# KiCad board backplane.kicad_pcb (continued)
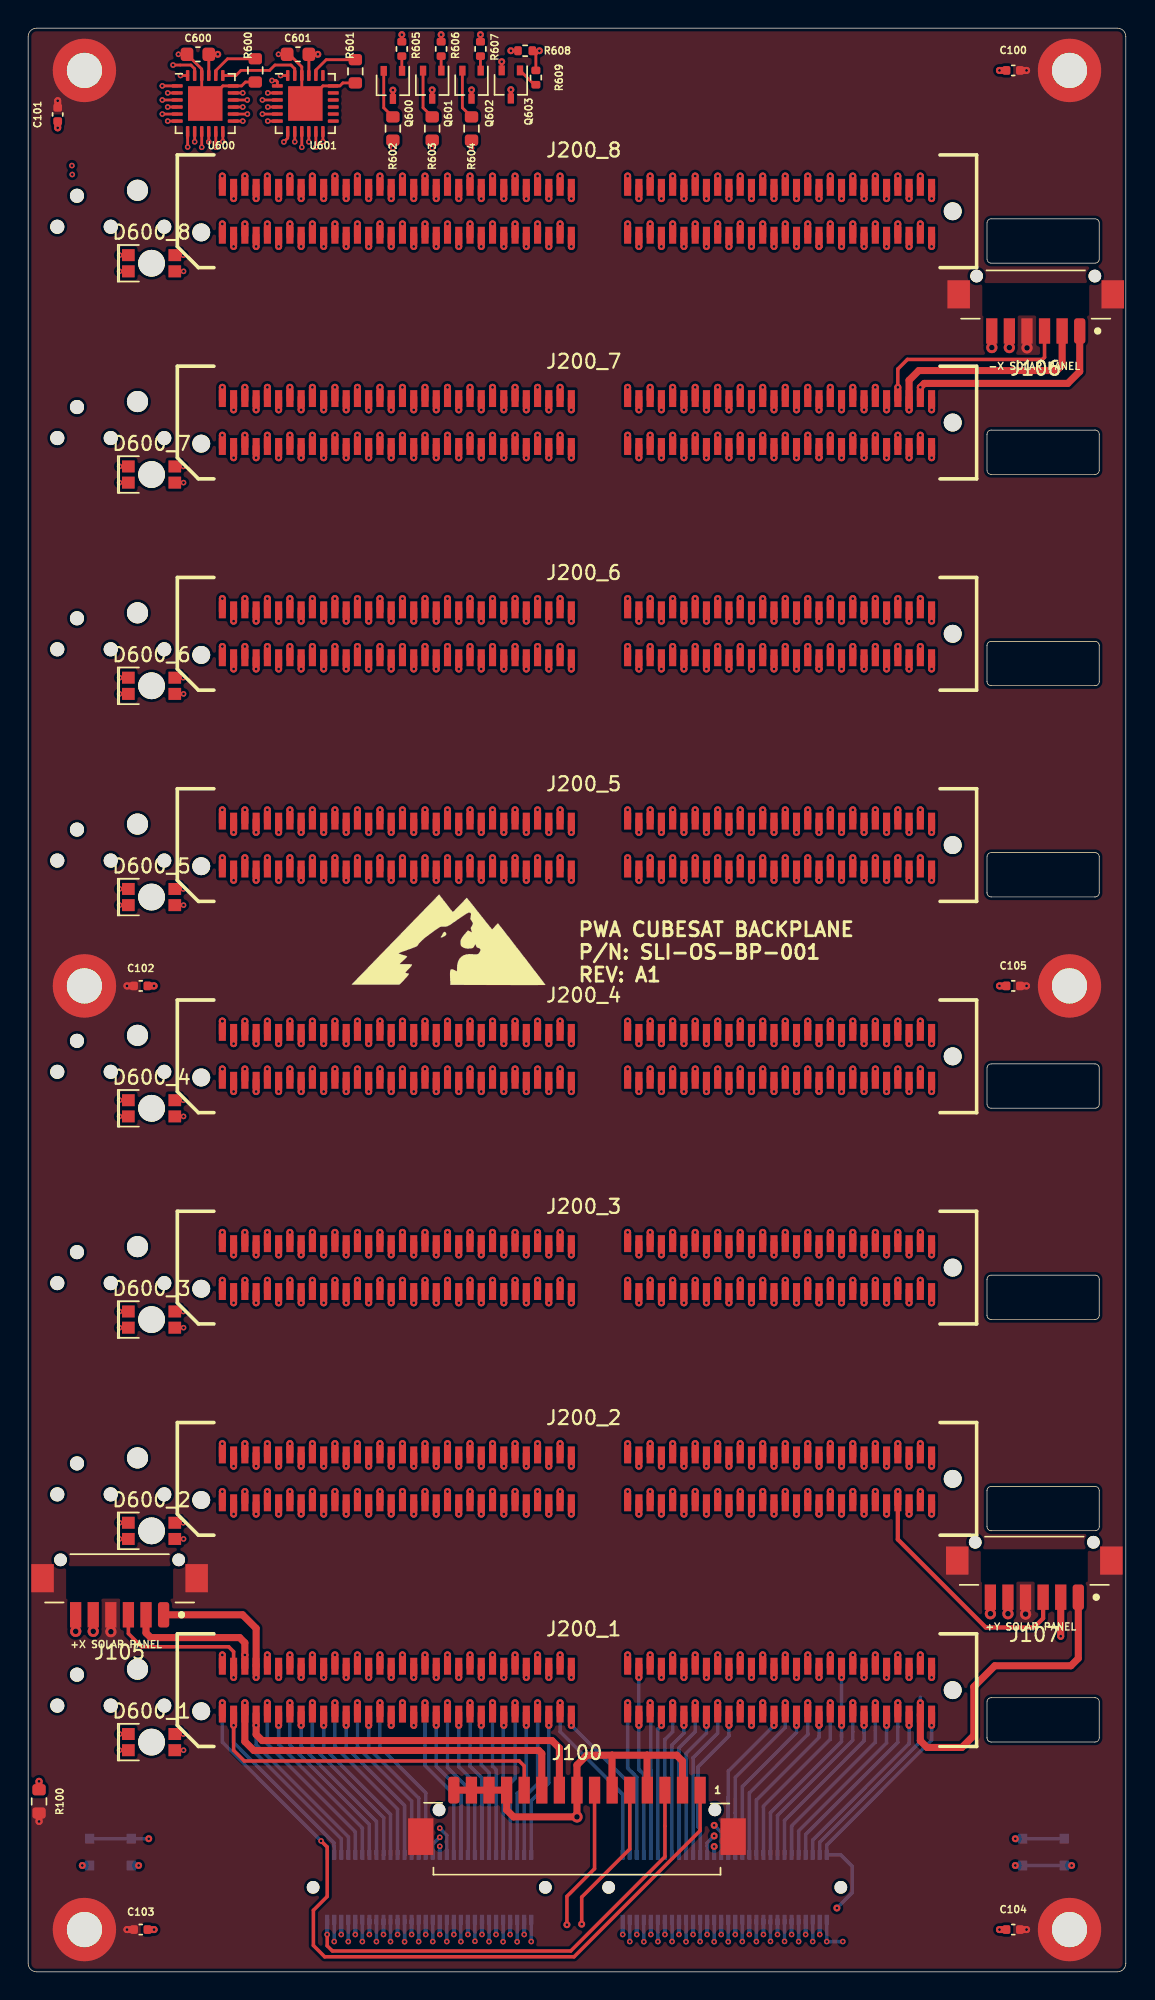
[diagram p0: board, top side]
## Routing (per net, layer and track width the routed paths; a pad name or vN(x,y) marks a point on that pad's centre or on a via; arc(x,y) is an arc through that point) (continued)
/H1-12: length 140.4
  Top w0.5: v1(25,127.5) 25,126.6 ; v1(25,22.5) 25,21.6 ; v1(25,37.5) 25,36.6 ; v1(25,52.5) 25,51.6 ; v1(25,67.5) 25,66.6 ; v1(25,82.5) 25,81.6 ; v1(25,97.5) 25,96.6 ; v1(25,112.5) 25,111.6
  In3.Cu w0.25: v1(25,22.5) 25,20.28 25.75,19.53 25.8,19.53 25.8,18.61 24.97,17.78 24.97,12.17 28.25,8.89 J300.30 ; v2(28.25,2.65) 28.25,4.42 28.24,4.42
  In3.Cu w0.5: v1(25,127.5) 25,125.5 25.8,124.65 25.8,123.67 25,122.87 v1(25,112.5) 25,110.5 25.8,109.65 25.8,108.67 25,107.87 v1(25,97.5) 25,95.5 25.8,94.65 25.8,93.67 25,92.87 v1(25,82.5) 25,80.5 25.8,79.65 25.8,78.67 25,77.87 v1(25,67.5) 25,65.5 25.8,64.65 25.8,63.67 25,62.87 v1(25,52.5) 25,50.5 25.8,49.65 25.8,48.67 25,47.87 v1(25,37.5) 25,35.5 25.8,34.65 25.8,33.67 25,32.87 v1(25,22.5)
  Bottom w0.3: v2(28.25,2.65) J300.30
/H1-13: length 128.7
  Top w0.5: v1(26.6,124.1) 26.6,123.2 ; v1(26.6,19.1) 26.6,18.2 ; v1(26.6,34.1) 26.6,33.2 ; v1(26.6,49.1) 26.6,48.2 ; v1(26.6,64.1) 26.6,63.2 ; v1(26.6,79.1) 26.6,78.2 ; v1(26.6,94.1) 26.6,93.2 ; v1(26.6,109.1) 26.6,108.2
  In1.Cu w0.5: v1(26.6,124.1) 26.6,122.3 27.4,121.5 27.4,112.1 26.6,111.3 v1(26.6,109.1) 26.6,107.3 27.4,106.5 27.4,97.1 26.6,96.3 v1(26.6,94.1) 26.6,92.3 27.4,91.5 27.4,82.1 26.6,81.3 v1(26.6,79.1) 26.6,77.3 27.4,76.5 27.4,67.1 26.6,66.3 v1(26.6,64.1) 26.6,62.3 27.4,61.5 27.4,52.1 26.6,51.3 v1(26.6,49.1) 26.6,47.3 27.4,46.5 27.4,37.1 26.6,36.3 v1(26.6,34.1) 26.6,32.3 27.4,31.5 27.4,22.1 26.6,21.3 v1(26.6,19.1)
  In4.Cu w0.25: v2(29.25,8.91) 27.44,10.72 27.44,16.19 26.6,17.03 v1(26.6,19.1)
  Bottom w0.25: J300.33 v2(29.25,8.91)
/H1-14: length 140
  Top w0.5: v1(26.6,127.5) 26.6,126.6 ; v1(26.6,22.5) 26.6,21.6 ; v1(26.6,37.5) 26.6,36.6 ; v1(26.6,52.5) 26.6,51.6 ; v1(26.6,67.5) 26.6,66.6 ; v1(26.6,82.5) 26.6,81.6 ; v1(26.6,97.5) 26.6,96.6 ; v1(26.6,112.5) 26.6,111.6
  In3.Cu w0.25: v1(26.6,22.5) 26.6,20.31 27.38,19.53 27.38,18.53 26.68,17.83 26.68,15.97 30.1,12.55 30.1,7.19 29.25,6.34 29.25,4.44 ; v2(29.25,2.65) 29.25,4.44 ; 29.25,4.44 29.27,4.44
  In3.Cu w0.5: v1(26.6,127.5) 26.6,125.5 27.4,124.65 27.4,123.67 26.6,122.87 v1(26.6,112.5) 26.6,110.5 27.4,109.65 27.4,108.67 26.6,107.87 v1(26.6,97.5) 26.6,95.5 27.4,94.65 27.4,93.67 26.6,92.87 v1(26.6,82.5) 26.6,80.5 27.4,79.65 27.4,78.67 26.6,77.87 v1(26.6,67.5) 26.6,65.5 27.4,64.65 27.4,63.67 26.6,62.87 v1(26.6,52.5) 26.6,50.5 27.4,49.65 27.4,48.67 26.6,47.87 v1(26.6,37.5) 26.6,35.5 27.4,34.65 27.4,33.67 26.6,32.87 v1(26.6,22.5)
  Bottom w0.3: v2(29.25,2.65) J300.34
/H1-16: length 139.5
  Top w0.5: v1(28.2,127.5) 28.2,126.6 ; v1(28.2,22.5) 28.2,21.6 ; v1(28.2,37.5) 28.2,36.6 ; v1(28.2,52.5) 28.2,51.6 ; v1(28.2,67.5) 28.2,66.6 ; v1(28.2,82.5) 28.2,81.6 ; v1(28.2,97.5) 28.2,96.6 ; v1(28.2,112.5) 28.2,111.6
  In3.Cu w0.25: v1(28.2,22.5) 28.2,20.4 29.02,19.58 29.02,18.71 28.22,17.91 28.22,15.51 30.69,13.04 30.69,6.83 30.25,6.39 v2(30.25,2.65)
  In3.Cu w0.5: v1(28.2,127.5) 28.2,125.5 29,124.65 29,123.67 28.2,122.87 v1(28.2,112.5) 28.2,110.5 29,109.65 29,108.67 28.2,107.87 v1(28.2,97.5) 28.2,95.5 29,94.65 29,93.67 28.2,92.87 v1(28.2,82.5) 28.2,80.5 29,79.65 29,78.67 28.2,77.87 v1(28.2,67.5) 28.2,65.5 29,64.65 29,63.67 28.2,62.87 v1(28.2,52.5) 28.2,50.5 29,49.65 29,48.67 28.2,47.87 v1(28.2,37.5) 28.2,35.5 29,34.65 29,33.67 28.2,32.87 v1(28.2,22.5)
  Bottom w0.3: v2(30.25,2.65) J300.38
/H1-17: length 128.2
  Top w0.5: v1(29.8,124.1) 29.8,123.2 ; v1(29.8,19.1) 29.8,18.2 ; v1(29.8,34.1) 29.8,33.2 ; v1(29.8,49.1) 29.8,48.2 ; v1(29.8,64.1) 29.8,63.2 ; v1(29.8,79.1) 29.8,78.2 ; v1(29.8,94.1) 29.8,93.2 ; v1(29.8,109.1) 29.8,108.2
  In1.Cu w0.5: v1(29.8,124.1) 29.8,122.3 30.6,121.5 30.6,112.1 29.8,111.3 v1(29.8,109.1) 29.8,107.3 30.6,106.5 30.6,97.1 29.8,96.3 v1(29.8,94.1) 29.8,92.3 30.6,91.5 30.6,82.1 29.8,81.3 v1(29.8,79.1) 29.8,77.3 30.6,76.5 30.6,67.1 29.8,66.3 v1(29.8,64.1) 29.8,62.3 30.6,61.5 30.6,52.1 29.8,51.3 v1(29.8,49.1) 29.8,47.3 30.6,46.5 30.6,37.1 29.8,36.3 v1(29.8,34.1) 29.8,32.3 30.6,31.5 30.6,22.1 29.8,21.3 v1(29.8,19.1)
  Bottom w0.25: J300.41 31.27,8.32 31.27,13.03 29.8,14.5 v1(29.8,19.1)
/H1-18: length 138.9
  Top w0.5: v1(29.8,127.5) 29.8,126.6 ; v1(29.8,22.5) 29.8,21.6 ; v1(29.8,37.5) 29.8,36.6 ; v1(29.8,52.5) 29.8,51.6 ; v1(29.8,67.5) 29.8,66.6 ; v1(29.8,82.5) 29.8,81.6 ; v1(29.8,97.5) 29.8,96.6 ; v1(29.8,112.5) 29.8,111.6
  In3.Cu w0.25: v1(29.8,22.5) 29.8,20.43 30.6,19.63 30.6,18.73 29.8,17.93 29.8,15.13 31.25,13.68 v2(31.25,2.65)
  In3.Cu w0.5: v1(29.8,127.5) 29.8,125.5 30.6,124.65 30.6,123.67 29.8,122.87 v1(29.8,112.5) 29.8,110.5 30.6,109.65 30.6,108.67 29.8,107.87 v1(29.8,97.5) 29.8,95.5 30.6,94.65 30.6,93.67 29.8,92.87 v1(29.8,82.5) 29.8,80.5 30.6,79.65 30.6,78.67 29.8,77.87 v1(29.8,67.5) 29.8,65.5 30.6,64.65 30.6,63.67 29.8,62.87 v1(29.8,52.5) 29.8,50.5 30.6,49.65 30.6,48.67 29.8,47.87 v1(29.8,37.5) 29.8,35.5 30.6,34.65 30.6,33.67 29.8,32.87 v1(29.8,22.5)
  Bottom w0.3: v2(31.25,2.65) J300.42
/H1-19: length 128
  Top w0.5: v1(31.4,124.1) 31.4,123.2 ; v1(31.4,19.1) 31.4,18.2 ; v1(31.4,34.1) 31.4,33.2 ; v1(31.4,49.1) 31.4,48.2 ; v1(31.4,64.1) 31.4,63.2 ; v1(31.4,79.1) 31.4,78.2 ; v1(31.4,94.1) 31.4,93.2 ; v1(31.4,109.1) 31.4,108.2
  In1.Cu w0.5: v1(31.4,124.1) 31.4,122.3 32.2,121.5 32.2,112.1 31.4,111.3 v1(31.4,109.1) 31.4,107.3 32.2,106.5 32.2,97.1 31.4,96.3 v1(31.4,94.1) 31.4,92.3 32.2,91.5 32.2,82.1 31.4,81.3 v1(31.4,79.1) 31.4,77.3 32.2,76.5 32.2,67.1 31.4,66.3 v1(31.4,64.1) 31.4,62.3 32.2,61.5 32.2,52.1 31.4,51.3 v1(31.4,49.1) 31.4,47.3 32.2,46.5 32.2,37.1 31.4,36.3 v1(31.4,34.1) 31.4,32.3 32.2,31.5 32.2,22.1 31.4,21.3 v1(31.4,19.1)
  Bottom w0.25: J300.45 32.25,13.75 31.4,14.6 v1(31.4,19.1)
/H1-20: length 140.6
  Top w0.5: v1(31.4,127.5) 31.4,126.6 ; v1(31.4,22.5) 31.4,21.6 ; v1(31.4,37.5) 31.4,36.6 ; v1(31.4,52.5) 31.4,51.6 ; v1(31.4,67.5) 31.4,66.6 ; v1(31.4,82.5) 31.4,81.6 ; v1(31.4,97.5) 31.4,96.6 ; v1(31.4,112.5) 31.4,111.6
  In3.Cu w0.25: 32.25,4 32.25,6.02 ; 32.25,4 v2(32.25,2.65) ; 32.25,4 32.25,16.1 31.42,16.93 31.42,18.04 32.21,18.83 32.21,19.66 31.41,20.46 31.41,22.49
  In3.Cu w0.5: v1(31.4,127.5) 31.4,125.5 32.2,124.65 32.2,123.67 31.4,122.87 v1(31.4,112.5) 31.4,110.5 32.2,109.65 32.2,108.67 31.4,107.87 v1(31.4,97.5) 31.4,95.5 32.2,94.65 32.2,93.67 31.4,92.87 v1(31.4,82.5) 31.4,80.5 32.2,79.65 32.2,78.67 31.4,77.87 v1(31.4,67.5) 31.4,65.5 32.2,64.65 32.2,63.67 31.4,62.87 v1(31.4,52.5) 31.4,50.5 32.2,49.65 32.2,48.67 31.4,47.87 v1(31.4,37.5) 31.4,35.5 32.2,34.65 32.2,33.67 31.4,32.87 v1(31.4,22.5)
  Bottom w0.3: v2(32.25,2.65) J300.46
/H1-21: length 139.1
  Top w0.2: R602.2 v2(25.92,129.49)
  Top w0.5: v1(33,124.1) 33,123.2 ; v1(33,19.1) 33,18.2 ; v1(33,34.1) 33,33.2 ; v1(33,49.1) 33,48.2 ; v1(33,64.1) 33,63.2 ; v1(33,79.1) 33,78.2 ; v1(33,94.1) 33,93.2 ; v1(33,109.1) 33,108.2
  In1.Cu w0.2: v2(25.92,129.49) 26.62,128.79 30.81,128.79 33,126.6 v1(33,124.1)
  In1.Cu w0.5: v1(33,124.1) 33,122.3 33.8,121.5 33.8,112.1 33,111.3 v1(33,109.1) 33,107.3 33.8,106.5 33.8,97.1 33,96.3 v1(33,94.1) 33,92.3 33.8,91.5 33.8,82.1 33,81.3 v1(33,79.1) 33,77.3 33.8,76.5 33.8,67.1 33,66.3 v1(33,64.1) 33,62.3 33.8,61.5 33.8,52.1 33,51.3 v1(33,49.1) 33,47.3 33.8,46.5 33.8,37.1 33,36.3 v1(33,34.1) 33,32.3 33.8,31.5 33.8,22.1 33,21.3 v1(33,19.1)
  Bottom w0.25: J300.49 33.25,14.35 33,14.6 v1(33,19.1)
/H1-22: length 138.4
  Top w0.5: v1(33,127.5) 33,126.6 ; v1(33,22.5) 33,21.6 ; v1(33,37.5) 33,36.6 ; v1(33,52.5) 33,51.6 ; v1(33,67.5) 33,66.6 ; v1(33,82.5) 33,81.6 ; v1(33,97.5) 33,96.6 ; v1(33,112.5) 33,111.6
  In3.Cu w0.25: v2(33.25,2.65) 33.25,16.62 33.06,16.81 33.06,18.04 33.09,18.04 33.83,18.78 33.83,19.77 33,20.6 v1(33,22.5)
  In3.Cu w0.5: v1(33,127.5) 33,125.5 33.8,124.65 33.8,123.67 33,122.87 v1(33,112.5) 33,110.5 33.8,109.65 33.8,108.67 33,107.87 v1(33,97.5) 33,95.5 33.8,94.65 33.8,93.67 33,92.87 v1(33,82.5) 33,80.5 33.8,79.65 33.8,78.67 33,77.87 v1(33,67.5) 33,65.5 33.8,64.65 33.8,63.67 33,62.87 v1(33,52.5) 33,50.5 33.8,49.65 33.8,48.67 33,47.87 v1(33,37.5) 33,35.5 33.8,34.65 33.8,33.67 33,32.87 v1(33,22.5)
  Bottom w0.3: v2(33.25,2.65) J300.50
/H1-23: length 137.9
  Top w0.2: R603.2 v2(28.71,129.49)
  Top w0.5: v1(34.6,124.1) 34.6,123.2 ; v1(34.6,19.1) 34.6,18.2 ; v1(34.6,34.1) 34.6,33.2 ; v1(34.6,49.1) 34.6,48.2 ; v1(34.6,64.1) 34.6,63.2 ; v1(34.6,79.1) 34.6,78.2 ; v1(34.6,94.1) 34.6,93.2 ; v1(34.6,109.1) 34.6,108.2
  In1.Cu w0.2: v2(28.71,129.49) 29.11,129.09 32.08,129.09 34.6,126.57 v1(34.6,124.1)
  In1.Cu w0.5: v1(34.6,124.1) 34.6,122.3 35.4,121.5 35.4,112.1 34.6,111.3 v1(34.6,109.1) 34.6,107.3 35.4,106.5 35.4,97.1 34.6,96.3 v1(34.6,94.1) 34.6,92.3 35.4,91.5 35.4,82.1 34.6,81.3 v1(34.6,79.1) 34.6,77.3 35.4,76.5 35.4,67.1 34.6,66.3 v1(34.6,64.1) 34.6,62.3 35.4,61.5 35.4,52.1 34.6,51.3 v1(34.6,49.1) 34.6,47.3 35.4,46.5 35.4,37.1 34.6,36.3 v1(34.6,34.1) 34.6,32.3 35.4,31.5 35.4,22.1 34.6,21.3 v1(34.6,19.1)
  Bottom w0.25: J300.53 34.25,13.38 34.6,13.73 v1(34.6,19.1)
/H1-24: length 138.5
  Top w0.5: v1(34.6,127.5) 34.6,126.6 ; v1(34.6,22.5) 34.6,21.6 ; v1(34.6,37.5) 34.6,36.6 ; v1(34.6,52.5) 34.6,51.6 ; v1(34.6,67.5) 34.6,66.6 ; v1(34.6,82.5) 34.6,81.6 ; v1(34.6,97.5) 34.6,96.6 ; v1(34.6,112.5) 34.6,111.6
  In3.Cu w0.25: v2(34.25,2.65) 34.25,16.47 34.59,16.81 34.59,18.04 34.6,18.04 35.41,18.85 35.41,19.84 35.39,19.84 34.57,20.66 34.6,20.69 v1(34.6,22.5)
  In3.Cu w0.5: v1(34.6,127.5) 34.6,125.5 35.4,124.65 35.4,123.67 34.6,122.87 v1(34.6,112.5) 34.6,110.5 35.4,109.65 35.4,108.67 34.6,107.87 v1(34.6,97.5) 34.6,95.5 35.4,94.65 35.4,93.67 34.6,92.87 v1(34.6,82.5) 34.6,80.5 35.4,79.65 35.4,78.67 34.6,77.87 v1(34.6,67.5) 34.6,65.5 35.4,64.65 35.4,63.67 34.6,62.87 v1(34.6,52.5) 34.6,50.5 35.4,49.65 35.4,48.67 34.6,47.87 v1(34.6,37.5) 34.6,35.5 35.4,34.65 35.4,33.67 34.6,32.87 v1(34.6,22.5)
  Bottom w0.3: v2(34.25,2.65) J300.54
/H1-25: length 128.3
  Top w0.5: v1(36.2,124.1) 36.2,123.2 ; v1(36.2,19.1) 36.2,18.2 ; v1(36.2,34.1) 36.2,33.2 ; v1(36.2,49.1) 36.2,48.2 ; v1(36.2,64.1) 36.2,63.2 ; v1(36.2,79.1) 36.2,78.2 ; v1(36.2,94.1) 36.2,93.2 ; v1(36.2,109.1) 36.2,108.2
  In1.Cu w0.5: v1(36.2,19.1) 36.2,21.3 37,22.1 37,30.93 36.2,31.73 v1(36.2,34.1) 36.2,36.3 37,37.1 37,45.98 36.2,46.78 36.2,49.15 ; v1(36.2,79.1) 36.2,81.3 37,82.1 37,90.96 36.2,91.76 36.2,94.12 ; v1(36.2,64.1) 36.2,66.3 37,67.1 37,76.03 36.2,76.83 36.2,79.2 ; v1(36.2,49.1) 36.2,51.3 37,52.1 37,61.01 36.2,61.81 36.2,64.17 ; v1(36.2,109.1) 36.2,111.3 37,112.1 37,120.93 36.2,121.73 v1(36.2,124.1) ; v1(36.2,94.1) 36.2,96.3 37,97.1 37,105.96 36.2,106.76 36.2,109.12
  Bottom w0.25: J300.57 35.25,12.39 36.2,13.34 v1(36.2,19.1)
/H1-26: length 138.7
  Top w0.5: v1(36.2,127.5) 36.2,126.6 ; v1(36.2,22.5) 36.2,21.6 ; v1(36.2,37.5) 36.2,36.6 ; v1(36.2,52.5) 36.2,51.6 ; v1(36.2,67.5) 36.2,66.6 ; v1(36.2,82.5) 36.2,81.6 ; v1(36.2,97.5) 36.2,96.6 ; v1(36.2,112.5) 36.2,111.6
  In3.Cu w0.25: v1(36.2,22.5) 36.2,20.58 36.94,19.84 36.96,19.84 36.96,18.78 36.2,18.02 36.2,8.3 35.25,7.35 v2(35.25,2.65)
  In3.Cu w0.5: v1(36.2,127.5) 36.2,125.5 37,124.65 37,123.67 36.2,122.87 v1(36.2,112.5) 36.2,110.5 37,109.65 37,108.67 36.2,107.87 v1(36.2,97.5) 36.2,95.5 37,94.65 37,93.67 36.2,92.87 v1(36.2,82.5) 36.2,80.5 37,79.65 37,78.67 36.2,77.87 v1(36.2,67.5) 36.2,65.5 37,64.65 37,63.67 36.2,62.87 v1(36.2,52.5) 36.2,50.5 37,49.65 37,48.67 36.2,47.87 v1(36.2,37.5) 36.2,35.5 37,34.65 37,33.67 36.2,32.87 v1(36.2,22.5)
  Bottom w0.3: v2(35.25,2.65) J300.58
/H1-27: length 131
  Top w0.5: v1(37.8,124.1) 37.8,123.2 ; v1(37.8,19.1) 37.8,18.2 ; v1(37.8,34.1) 37.8,33.2 ; v1(37.8,49.1) 37.8,48.2 ; v1(37.8,64.1) 37.8,63.2 ; v1(37.8,79.1) 37.8,78.2 ; v1(37.8,94.1) 37.8,93.2 ; v1(37.8,109.1) 37.8,108.2
  In1.Cu w0.5: v1(37.8,109.1) 37.8,111.3 38.6,112.1 38.6,120.73 37.8,121.53 v1(37.8,124.1) ; v1(37.8,19.1) 37.8,21.3 38.6,22.1 38.6,30.73 37.8,31.53 v1(37.8,34.1) 37.8,36.3 38.6,37.1 38.6,45.78 37.8,46.58 37.8,49.15 ; v1(37.8,94.1) 37.8,96.3 38.6,97.1 38.6,105.76 37.8,106.56 37.8,109.12 ; v1(37.8,79.1) 37.8,81.3 38.6,82.1 38.6,90.76 37.8,91.56 37.8,94.12 ; v1(37.8,64.1) 37.8,66.3 38.6,67.1 38.6,75.83 37.8,76.63 37.8,79.2 ; v1(37.8,49.1) 37.8,51.3 38.6,52.1 38.6,60.81 37.8,61.61 37.8,64.17
  Bottom w0.25: 41.27,13.58 42.25,12.6 J301.1 ; 41.27,13.58 37.8,17.05 v1(37.8,19.1) ; 41.27,13.58 42.17,12.68
/H1-28: length 139.5
  Top w0.5: v1(37.8,127.5) 37.8,126.6 ; v1(37.8,22.5) 37.8,21.6 ; v1(37.8,37.5) 37.8,36.6 ; v1(37.8,52.5) 37.8,51.6 ; v1(37.8,67.5) 37.8,66.6 ; v1(37.8,82.5) 37.8,81.6 ; v1(37.8,97.5) 37.8,96.6 ; v1(37.8,112.5) 37.8,111.6
  In3.Cu w0.25: v1(37.8,22.5) 37.8,20.44 42.25,15.99 v2(42.25,2.65)
  In3.Cu w0.5: v1(37.8,127.5) 37.8,125.5 38.6,124.65 38.6,123.67 37.8,122.87 v1(37.8,112.5) 37.8,110.5 38.6,109.65 38.6,108.67 37.8,107.87 v1(37.8,97.5) 37.8,95.5 38.6,94.65 38.6,93.67 37.8,92.87 v1(37.8,82.5) 37.8,80.5 38.6,79.65 38.6,78.67 37.8,77.87 v1(37.8,67.5) 37.8,65.5 38.6,64.65 38.6,63.67 37.8,62.87 v1(37.8,52.5) 37.8,50.5 38.6,49.65 38.6,48.67 37.8,47.87 v1(37.8,37.5) 37.8,35.5 38.6,34.65 38.6,33.67 37.8,32.87 v1(37.8,22.5)
  Bottom w0.3: v2(42.25,2.65) J301.2
/H1-30: length 138.6
  Top w0.5: v1(42.6,127.5) 42.6,126.6 ; v1(42.6,22.5) 42.6,21.6 ; v1(42.6,37.5) 42.6,36.6 ; v1(42.6,52.5) 42.6,51.6 ; v1(42.6,67.5) 42.6,66.6 ; v1(42.6,82.5) 42.6,81.6 ; v1(42.6,97.5) 42.6,96.6 ; v1(42.6,112.5) 42.6,111.6
  In3.Cu w0.25: 41.79,19.5 41.79,17.53 43.25,16.07 v2(43.25,2.65) ; 41.79,19.5 41.8,19.5 ; 41.79,19.5 42.6,20.31 v1(42.6,22.5)
  In3.Cu w0.5: v1(42.6,127.5) 42.6,125.5 43.4,124.65 43.4,123.67 42.6,122.87 v1(42.6,112.5) 42.6,110.5 43.4,109.65 43.4,108.67 42.6,107.87 v1(42.6,97.5) 42.6,95.5 43.4,94.65 43.4,93.67 42.6,92.87 v1(42.6,82.5) 42.6,80.5 43.4,79.65 43.4,78.67 42.6,77.87 v1(42.6,67.5) 42.6,65.5 43.4,64.65 43.4,63.67 42.6,62.87 v1(42.6,52.5) 42.6,50.5 43.4,49.65 43.4,48.67 42.6,47.87 v1(42.6,37.5) 42.6,35.5 43.4,34.65 43.4,33.67 42.6,32.87 v1(42.6,22.5)
  Bottom w0.3: v2(43.25,2.65) J301.6
/H1-31: length 133.7
  Top w0.5: v1(44.2,124.1) 44.2,123.2 ; v1(44.2,19.1) 44.2,18.2 ; v1(44.2,34.1) 44.2,33.2 ; v1(44.2,49.1) 44.2,48.2 ; v1(44.2,64.1) 44.2,63.2 ; v1(44.2,79.1) 44.2,78.2 ; v1(44.2,94.1) 44.2,93.2 ; v1(44.2,109.1) 44.2,108.2
  In1.Cu w0.5: v1(44.2,124.1) 44.2,122.3 45,121.5 45,112.1 44.2,111.3 v1(44.2,109.1) 44.2,107.3 45,106.5 45,97.1 44.2,96.3 v1(44.2,94.1) 44.2,92.3 45,91.5 45,82.1 44.2,81.3 v1(44.2,79.1) 44.2,77.3 45,76.5 45,67.1 44.2,66.3 v1(44.2,64.1) 44.2,62.3 45,61.5 45,52.1 44.2,51.3 v1(44.2,49.1) 44.2,47.3 45,46.5 45,37.1 44.2,36.3 v1(44.2,34.1) 44.2,32.3 45,31.5 45,22.1 44.2,21.3 v1(44.2,19.1)
  Bottom w0.25: 44.25,14.35 J301.9 44.25,19.05 v1(44.2,19.1)
/H1-33: length 127.9
  Top w0.5: v1(45.8,124.1) 45.8,123.2 ; v1(45.8,19.1) 45.8,18.2 ; v1(45.8,34.1) 45.8,33.2 ; v1(45.8,49.1) 45.8,48.2 ; v1(45.8,64.1) 45.8,63.2 ; v1(45.8,79.1) 45.8,78.2 ; v1(45.8,94.1) 45.8,93.2 ; v1(45.8,109.1) 45.8,108.2
  In1.Cu w0.5: v1(45.8,124.1) 45.8,122.3 46.6,121.5 46.6,112.1 45.8,111.3 v1(45.8,109.1) 45.8,107.3 46.6,106.5 46.6,97.1 45.8,96.3 v1(45.8,94.1) 45.8,92.3 46.6,91.5 46.6,82.1 45.8,81.3 v1(45.8,79.1) 45.8,77.3 46.6,76.5 46.6,67.1 45.8,66.3 v1(45.8,64.1) 45.8,62.3 46.6,61.5 46.6,52.1 45.8,51.3 v1(45.8,49.1) 45.8,47.3 46.6,46.5 46.6,37.1 45.8,36.3 v1(45.8,34.1) 45.8,32.3 46.6,31.5 46.6,22.1 45.8,21.3 v1(45.8,19.1)
  Bottom w0.25: J301.13 45.25,16.5 45.8,17.05 v1(45.8,19.1)
/H1-34: length 138.5
  Top w0.5: v1(45.8,127.5) 45.8,126.6 ; v1(45.8,22.5) 45.8,21.6 ; v1(45.8,37.5) 45.8,36.6 ; v1(45.8,52.5) 45.8,51.6 ; v1(45.8,67.5) 45.8,66.6 ; v1(45.8,82.5) 45.8,81.6 ; v1(45.8,97.5) 45.8,96.6 ; v1(45.8,112.5) 45.8,111.6
  In3.Cu w0.25: v2(45.25,2.65) 45.25,15.85 45.81,16.41 45.81,18.01 45.02,18.8 45.02,19.6 45.81,20.39 45.8,20.4 v1(45.8,22.5)
  In3.Cu w0.5: v1(45.8,127.5) 45.8,125.5 46.6,124.65 46.6,123.67 45.8,122.87 v1(45.8,112.5) 45.8,110.5 46.6,109.65 46.6,108.67 45.8,107.87 v1(45.8,97.5) 45.8,95.5 46.6,94.65 46.6,93.67 45.8,92.87 v1(45.8,82.5) 45.8,80.5 46.6,79.65 46.6,78.67 45.8,77.87 v1(45.8,67.5) 45.8,65.5 46.6,64.65 46.6,63.67 45.8,62.87 v1(45.8,52.5) 45.8,50.5 46.6,49.65 46.6,48.67 45.8,47.87 v1(45.8,37.5) 45.8,35.5 46.6,34.65 46.6,33.67 45.8,32.87 v1(45.8,22.5)
  Bottom w0.3: v2(45.25,2.65) J301.14
/H1-35: length 128.1
  Top w0.5: v1(47.4,124.1) 47.4,123.2 ; v1(47.4,19.1) 47.4,18.2 ; v1(47.4,34.1) 47.4,33.2 ; v1(47.4,49.1) 47.4,48.2 ; v1(47.4,64.1) 47.4,63.2 ; v1(47.4,79.1) 47.4,78.2 ; v1(47.4,94.1) 47.4,93.2 ; v1(47.4,109.1) 47.4,108.2
  In1.Cu w0.5: v1(47.4,124.1) 47.4,122.3 48.2,121.5 48.2,112.1 47.4,111.3 v1(47.4,109.1) 47.4,107.3 48.2,106.5 48.2,97.1 47.4,96.3 v1(47.4,94.1) 47.4,92.3 48.2,91.5 48.2,82.1 47.4,81.3 v1(47.4,79.1) 47.4,77.3 48.2,76.5 48.2,67.1 47.4,66.3 v1(47.4,64.1) 47.4,62.3 48.2,61.5 48.2,52.1 47.4,51.3 v1(47.4,49.1) 47.4,47.3 48.2,46.5 48.2,37.1 47.4,36.3 v1(47.4,34.1) 47.4,32.3 48.2,31.5 48.2,22.1 47.4,21.3 v1(47.4,19.1)
  Bottom w0.25: J301.17 46.25,15.9 47.4,17.05 v1(47.4,19.1)
/H1-36: length 138.8
  Top w0.5: v1(47.4,127.5) 47.4,126.6 ; v1(47.4,22.5) 47.4,21.6 ; v1(47.4,37.5) 47.4,36.6 ; v1(47.4,52.5) 47.4,51.6 ; v1(47.4,67.5) 47.4,66.6 ; v1(47.4,82.5) 47.4,81.6 ; v1(47.4,97.5) 47.4,96.6 ; v1(47.4,112.5) 47.4,111.6
  In3.Cu w0.25: v1(47.4,22.5) 47.4,20.31 46.61,19.52 46.61,18.83 47.41,18.03 47.41,16.64 46.25,15.48 v2(46.25,2.65)
  In3.Cu w0.5: v1(47.4,127.5) 47.4,125.5 48.2,124.65 48.2,123.67 47.4,122.87 v1(47.4,112.5) 47.4,110.5 48.2,109.65 48.2,108.67 47.4,107.87 v1(47.4,97.5) 47.4,95.5 48.2,94.65 48.2,93.67 47.4,92.87 v1(47.4,82.5) 47.4,80.5 48.2,79.65 48.2,78.67 47.4,77.87 v1(47.4,67.5) 47.4,65.5 48.2,64.65 48.2,63.67 47.4,62.87 v1(47.4,52.5) 47.4,50.5 48.2,49.65 48.2,48.67 47.4,47.87 v1(47.4,37.5) 47.4,35.5 48.2,34.65 48.2,33.67 47.4,32.87 v1(47.4,22.5)
  Bottom w0.3: v2(46.25,2.65) J301.18
/H1-37: length 128.4
  Top w0.5: v1(49,124.1) 49,123.2 ; v1(49,19.1) 49,18.2 ; v1(49,34.1) 49,33.2 ; v1(49,49.1) 49,48.2 ; v1(49,64.1) 49,63.2 ; v1(49,79.1) 49,78.2 ; v1(49,94.1) 49,93.2 ; v1(49,109.1) 49,108.2
  In1.Cu w0.5: v1(49,124.1) 49,122.3 49.8,121.5 49.8,112.1 49,111.3 v1(49,109.1) 49,107.3 49.8,106.5 49.8,97.1 49,96.3 v1(49,94.1) 49,92.3 49.8,91.5 49.8,82.1 49,81.3 v1(49,79.1) 49,77.3 49.8,76.5 49.8,67.1 49,66.3 v1(49,64.1) 49,62.3 49.8,61.5 49.8,52.1 49,51.3 v1(49,49.1) 49,47.3 49.8,46.5 49.8,37.1 49,36.3 v1(49,34.1) 49,32.3 49.8,31.5 49.8,22.1 49,21.3 v1(49,19.1)
  Bottom w0.25: J301.21 47.25,15.2 49,16.95 v1(49,19.1)
/H1-38: length 139
  Top w0.5: v1(49,127.5) 49,126.6 ; v1(49,22.5) 49,21.6 ; v1(49,37.5) 49,36.6 ; v1(49,52.5) 49,51.6 ; v1(49,67.5) 49,66.6 ; v1(49,82.5) 49,81.6 ; v1(49,97.5) 49,96.6 ; v1(49,112.5) 49,111.6
  In3.Cu w0.25: v1(49,22.5) 49,20.31 48.2,19.51 48.2,18.83 49,18.03 49.01,18.03 49.01,16.6 47.25,14.84 v2(47.25,2.65)
  In3.Cu w0.5: v1(49,127.5) 49,125.5 49.8,124.65 49.8,123.67 49,122.87 v1(49,112.5) 49,110.5 49.8,109.65 49.8,108.67 49,107.87 v1(49,97.5) 49,95.5 49.8,94.65 49.8,93.67 49,92.87 v1(49,82.5) 49,80.5 49.8,79.65 49.8,78.67 49,77.87 v1(49,67.5) 49,65.5 49.8,64.65 49.8,63.67 49,62.87 v1(49,52.5) 49,50.5 49.8,49.65 49.8,48.67 49,47.87 v1(49,37.5) 49,35.5 49.8,34.65 49.8,33.67 49,32.87 v1(49,22.5)
  Bottom w0.3: v2(47.25,2.65) J301.22
/H1-39: length 129.3
  Top w0.5: v1(50.6,124.1) 50.6,123.2 ; v1(50.6,19.1) 50.6,18.2 ; v1(50.6,34.1) 50.6,33.2 ; v1(50.6,49.1) 50.6,48.2 ; v1(50.6,64.1) 50.6,63.2 ; v1(50.6,79.1) 50.6,78.2 ; v1(50.6,94.1) 50.6,93.2 ; v1(50.6,109.1) 50.6,108.2
  In1.Cu w0.25: 50.02,10.93 50.6,11.5 v1(50.6,19.1) ; 50.02,10.93 v1(48.75,9.65) ; 50.02,10.93 50.5,11.4
  In1.Cu w0.5: v1(50.6,124.1) 50.6,122.3 51.4,121.5 51.4,112.1 50.6,111.3 v1(50.6,109.1) 50.6,107.3 51.4,106.5 51.4,97.1 50.6,96.3 v1(50.6,94.1) 50.6,92.3 51.4,91.5 51.4,82.1 50.6,81.3 v1(50.6,79.1) 50.6,77.3 51.4,76.5 51.4,67.1 50.6,66.3 v1(50.6,64.1) 50.6,62.3 51.4,61.5 51.4,52.1 50.6,51.3 v1(50.6,49.1) 50.6,47.3 51.4,46.5 51.4,37.1 50.6,36.3 v1(50.6,34.1) 50.6,32.3 51.4,31.5 51.4,22.1 50.6,21.3 v1(50.6,19.1)
  Bottom w0.25: J301.25 48.25,9.15 v1(48.75,9.65)
/H1-40: length 139.7
  Top w0.5: v1(50.6,127.5) 50.6,126.6 ; v1(50.6,22.5) 50.6,21.6 ; v1(50.6,37.5) 50.6,36.6 ; v1(50.6,52.5) 50.6,51.6 ; v1(50.6,67.5) 50.6,66.6 ; v1(50.6,82.5) 50.6,81.6 ; v1(50.6,97.5) 50.6,96.6 ; v1(50.6,112.5) 50.6,111.6
  In3.Cu w0.25: v2(48.25,2.65) 48.25,10.57 47.74,11.08 47.74,14.48 50.61,17.35 50.61,18.04 49.8,18.85 49.8,19.5 50.6,20.3 v1(50.6,22.5)
  In3.Cu w0.5: v1(50.6,127.5) 50.6,125.5 51.4,124.65 51.4,123.67 50.6,122.87 v1(50.6,112.5) 50.6,110.5 51.4,109.65 51.4,108.67 50.6,107.87 v1(50.6,97.5) 50.6,95.5 51.4,94.65 51.4,93.67 50.6,92.87 v1(50.6,82.5) 50.6,80.5 51.4,79.65 51.4,78.67 50.6,77.87 v1(50.6,67.5) 50.6,65.5 51.4,64.65 51.4,63.67 50.6,62.87 v1(50.6,52.5) 50.6,50.5 51.4,49.65 51.4,48.67 50.6,47.87 v1(50.6,37.5) 50.6,35.5 51.4,34.65 51.4,33.67 50.6,32.87 v1(50.6,22.5)
  Bottom w0.3: v2(48.25,2.65) J301.26
/H1-41: length 130
  Top w0.5: v1(52.2,124.1) 52.2,123.2 ; v1(52.2,19.1) 52.2,18.2 ; v1(52.2,34.1) 52.2,33.2 ; v1(52.2,49.1) 52.2,48.2 ; v1(52.2,64.1) 52.2,63.2 ; v1(52.2,79.1) 52.2,78.2 ; v1(52.2,94.1) 52.2,93.2 ; v1(52.2,109.1) 52.2,108.2
  In1.Cu w0.5: v1(52.2,124.1) 52.2,122.3 53,121.5 53,112.1 52.2,111.3 v1(52.2,109.1) 52.2,107.3 53,106.5 53,97.1 52.2,96.3 v1(52.2,94.1) 52.2,92.3 53,91.5 53,82.1 52.2,81.3 v1(52.2,79.1) 52.2,77.3 53,76.5 53,67.1 52.2,66.3 v1(52.2,64.1) 52.2,62.3 53,61.5 53,52.1 52.2,51.3 v1(52.2,49.1) 52.2,47.3 53,46.5 53,37.1 52.2,36.3 v1(52.2,34.1) 52.2,32.3 53,31.5 53,22.1 52.2,21.3 v1(52.2,19.1)
  In4.Cu w0.25: 50.7,12.35 52.2,13.85 v1(52.2,19.1) ; 50.7,12.35 51.25,12.9 ; 50.7,12.35 v1(48.75,10.4)
  Bottom w0.25: J301.29 49.25,9.9 v1(48.75,10.4)
/H1-42: length 139.3
  Top w0.5: v1(52.2,127.5) 52.2,126.6 ; v1(52.2,22.5) 52.2,21.6 ; v1(52.2,37.5) 52.2,36.6 ; v1(52.2,52.5) 52.2,51.6 ; v1(52.2,67.5) 52.2,66.6 ; v1(52.2,82.5) 52.2,81.6 ; v1(52.2,97.5) 52.2,96.6 ; v1(52.2,112.5) 52.2,111.6
  In3.Cu w0.25: v1(52.2,22.5) 52.2,20.34 51.4,19.54 51.4,18.85 51.95,18.3 51.95,16.81 49.76,14.62 49.76,11.31 49.25,10.8 v2(49.25,2.65)
  In3.Cu w0.5: v1(52.2,127.5) 52.2,125.5 53,124.65 53,123.67 52.2,122.87 v1(52.2,112.5) 52.2,110.5 53,109.65 53,108.67 52.2,107.87 v1(52.2,97.5) 52.2,95.5 53,94.65 53,93.67 52.2,92.87 v1(52.2,82.5) 52.2,80.5 53,79.65 53,78.67 52.2,77.87 v1(52.2,67.5) 52.2,65.5 53,64.65 53,63.67 52.2,62.87 v1(52.2,52.5) 52.2,50.5 53,49.65 53,48.67 52.2,47.87 v1(52.2,37.5) 52.2,35.5 53,34.65 53,33.67 52.2,32.87 v1(52.2,22.5)
  Bottom w0.3: v2(49.25,2.65) J301.30
/H1-43: length 132.8
  Top w0.5: v1(53.8,124.1) 53.8,123.2 ; v1(53.8,19.1) 53.8,18.2 ; v1(53.8,34.1) 53.8,33.2 ; v1(53.8,49.1) 53.8,48.2 ; v1(53.8,64.1) 53.8,63.2 ; v1(53.8,79.1) 53.8,78.2 ; v1(53.8,94.1) 53.8,93.2 ; v1(53.8,109.1) 53.8,108.2
  In1.Cu w0.5: v1(53.8,124.1) 53.8,122.3 54.6,121.5 54.6,112.1 53.8,111.3 v1(53.8,109.1) 53.8,107.3 54.6,106.5 54.6,97.1 53.8,96.3 v1(53.8,94.1) 53.8,92.3 54.6,91.5 54.6,82.1 53.8,81.3 v1(53.8,79.1) 53.8,77.3 54.6,76.5 54.6,67.1 53.8,66.3 v1(53.8,64.1) 53.8,62.3 54.6,61.5 54.6,52.1 53.8,51.3 v1(53.8,49.1) 53.8,47.3 54.6,46.5 54.6,37.1 53.8,36.3 v1(53.8,34.1) 53.8,32.3 54.6,31.5 54.6,22.1 53.8,21.3 v1(53.8,19.1)
  Bottom w0.25: 50.25,11.25 50.25,13.8 53.8,17.35 v1(53.8,19.1) ; 50.25,11.25 50.25,12.32 ; 50.25,11.25 J301.33 50.25,10.96
/H1-44: length 139.1
  Top w0.5: v1(53.8,127.5) 53.8,126.6 ; v1(53.8,22.5) 53.8,21.6 ; v1(53.8,37.5) 53.8,36.6 ; v1(53.8,52.5) 53.8,51.6 ; v1(53.8,67.5) 53.8,66.6 ; v1(53.8,82.5) 53.8,81.6 ; v1(53.8,97.5) 53.8,96.6 ; v1(53.8,112.5) 53.8,111.6
  In3.Cu w0.25: v2(50.25,2.65) 50.25,14.13 52.42,16.3 52.42,18.24 53.01,18.83 53.01,19.55 53.8,20.34 v1(53.8,22.5)
  In3.Cu w0.5: v1(53.8,127.5) 53.8,125.5 54.6,124.65 54.6,123.67 53.8,122.87 v1(53.8,112.5) 53.8,110.5 54.6,109.65 54.6,108.67 53.8,107.87 v1(53.8,97.5) 53.8,95.5 54.6,94.65 54.6,93.67 53.8,92.87 v1(53.8,82.5) 53.8,80.5 54.6,79.65 54.6,78.67 53.8,77.87 v1(53.8,67.5) 53.8,65.5 54.6,64.65 54.6,63.67 53.8,62.87 v1(53.8,52.5) 53.8,50.5 54.6,49.65 54.6,48.67 53.8,47.87 v1(53.8,37.5) 53.8,35.5 54.6,34.65 54.6,33.67 53.8,32.87 v1(53.8,22.5)
  Bottom w0.3: v2(50.25,2.65) J301.34
/H1-45: length 129.3
  Top w0.5: v1(55.4,124.1) 55.4,123.2 ; v1(55.4,19.1) 55.4,18.2 ; v1(55.4,34.1) 55.4,33.2 ; v1(55.4,49.1) 55.4,48.2 ; v1(55.4,64.1) 55.4,63.2 ; v1(55.4,79.1) 55.4,78.2 ; v1(55.4,94.1) 55.4,93.2 ; v1(55.4,109.1) 55.4,108.2
  In1.Cu w0.5: v1(55.4,124.1) 55.4,122.3 56.2,121.5 56.2,112.1 55.4,111.3 v1(55.4,109.1) 55.4,107.3 56.2,106.5 56.2,97.1 55.4,96.3 v1(55.4,94.1) 55.4,92.3 56.2,91.5 56.2,82.1 55.4,81.3 v1(55.4,79.1) 55.4,77.3 56.2,76.5 56.2,67.1 55.4,66.3 v1(55.4,64.1) 55.4,62.3 56.2,61.5 56.2,52.1 55.4,51.3 v1(55.4,49.1) 55.4,47.3 56.2,46.5 56.2,37.1 55.4,36.3 v1(55.4,34.1) 55.4,32.3 56.2,31.5 56.2,22.1 55.4,21.3 v1(55.4,19.1)
  Bottom w0.25: J301.37 51.25,12.7 55.4,16.85 v1(55.4,19.1)
/H1-46: length 139.4
  Top w0.5: v1(55.4,127.5) 55.4,126.6 ; v1(55.4,22.5) 55.4,21.6 ; v1(55.4,37.5) 55.4,36.6 ; v1(55.4,52.5) 55.4,51.6 ; v1(55.4,67.5) 55.4,66.6 ; v1(55.4,82.5) 55.4,81.6 ; v1(55.4,97.5) 55.4,96.6 ; v1(55.4,112.5) 55.4,111.6
  In3.Cu w0.25: v1(55.4,22.5) 55.4,20.25 54.61,19.46 54.61,19.04 53.8,18.23 53.81,18.22 53.81,15.89 51.25,13.33 v2(51.25,2.65)